# Altium PCB BLDC_DRIVER_auto_router.PcbDoc (part 1 of 3) (continued)
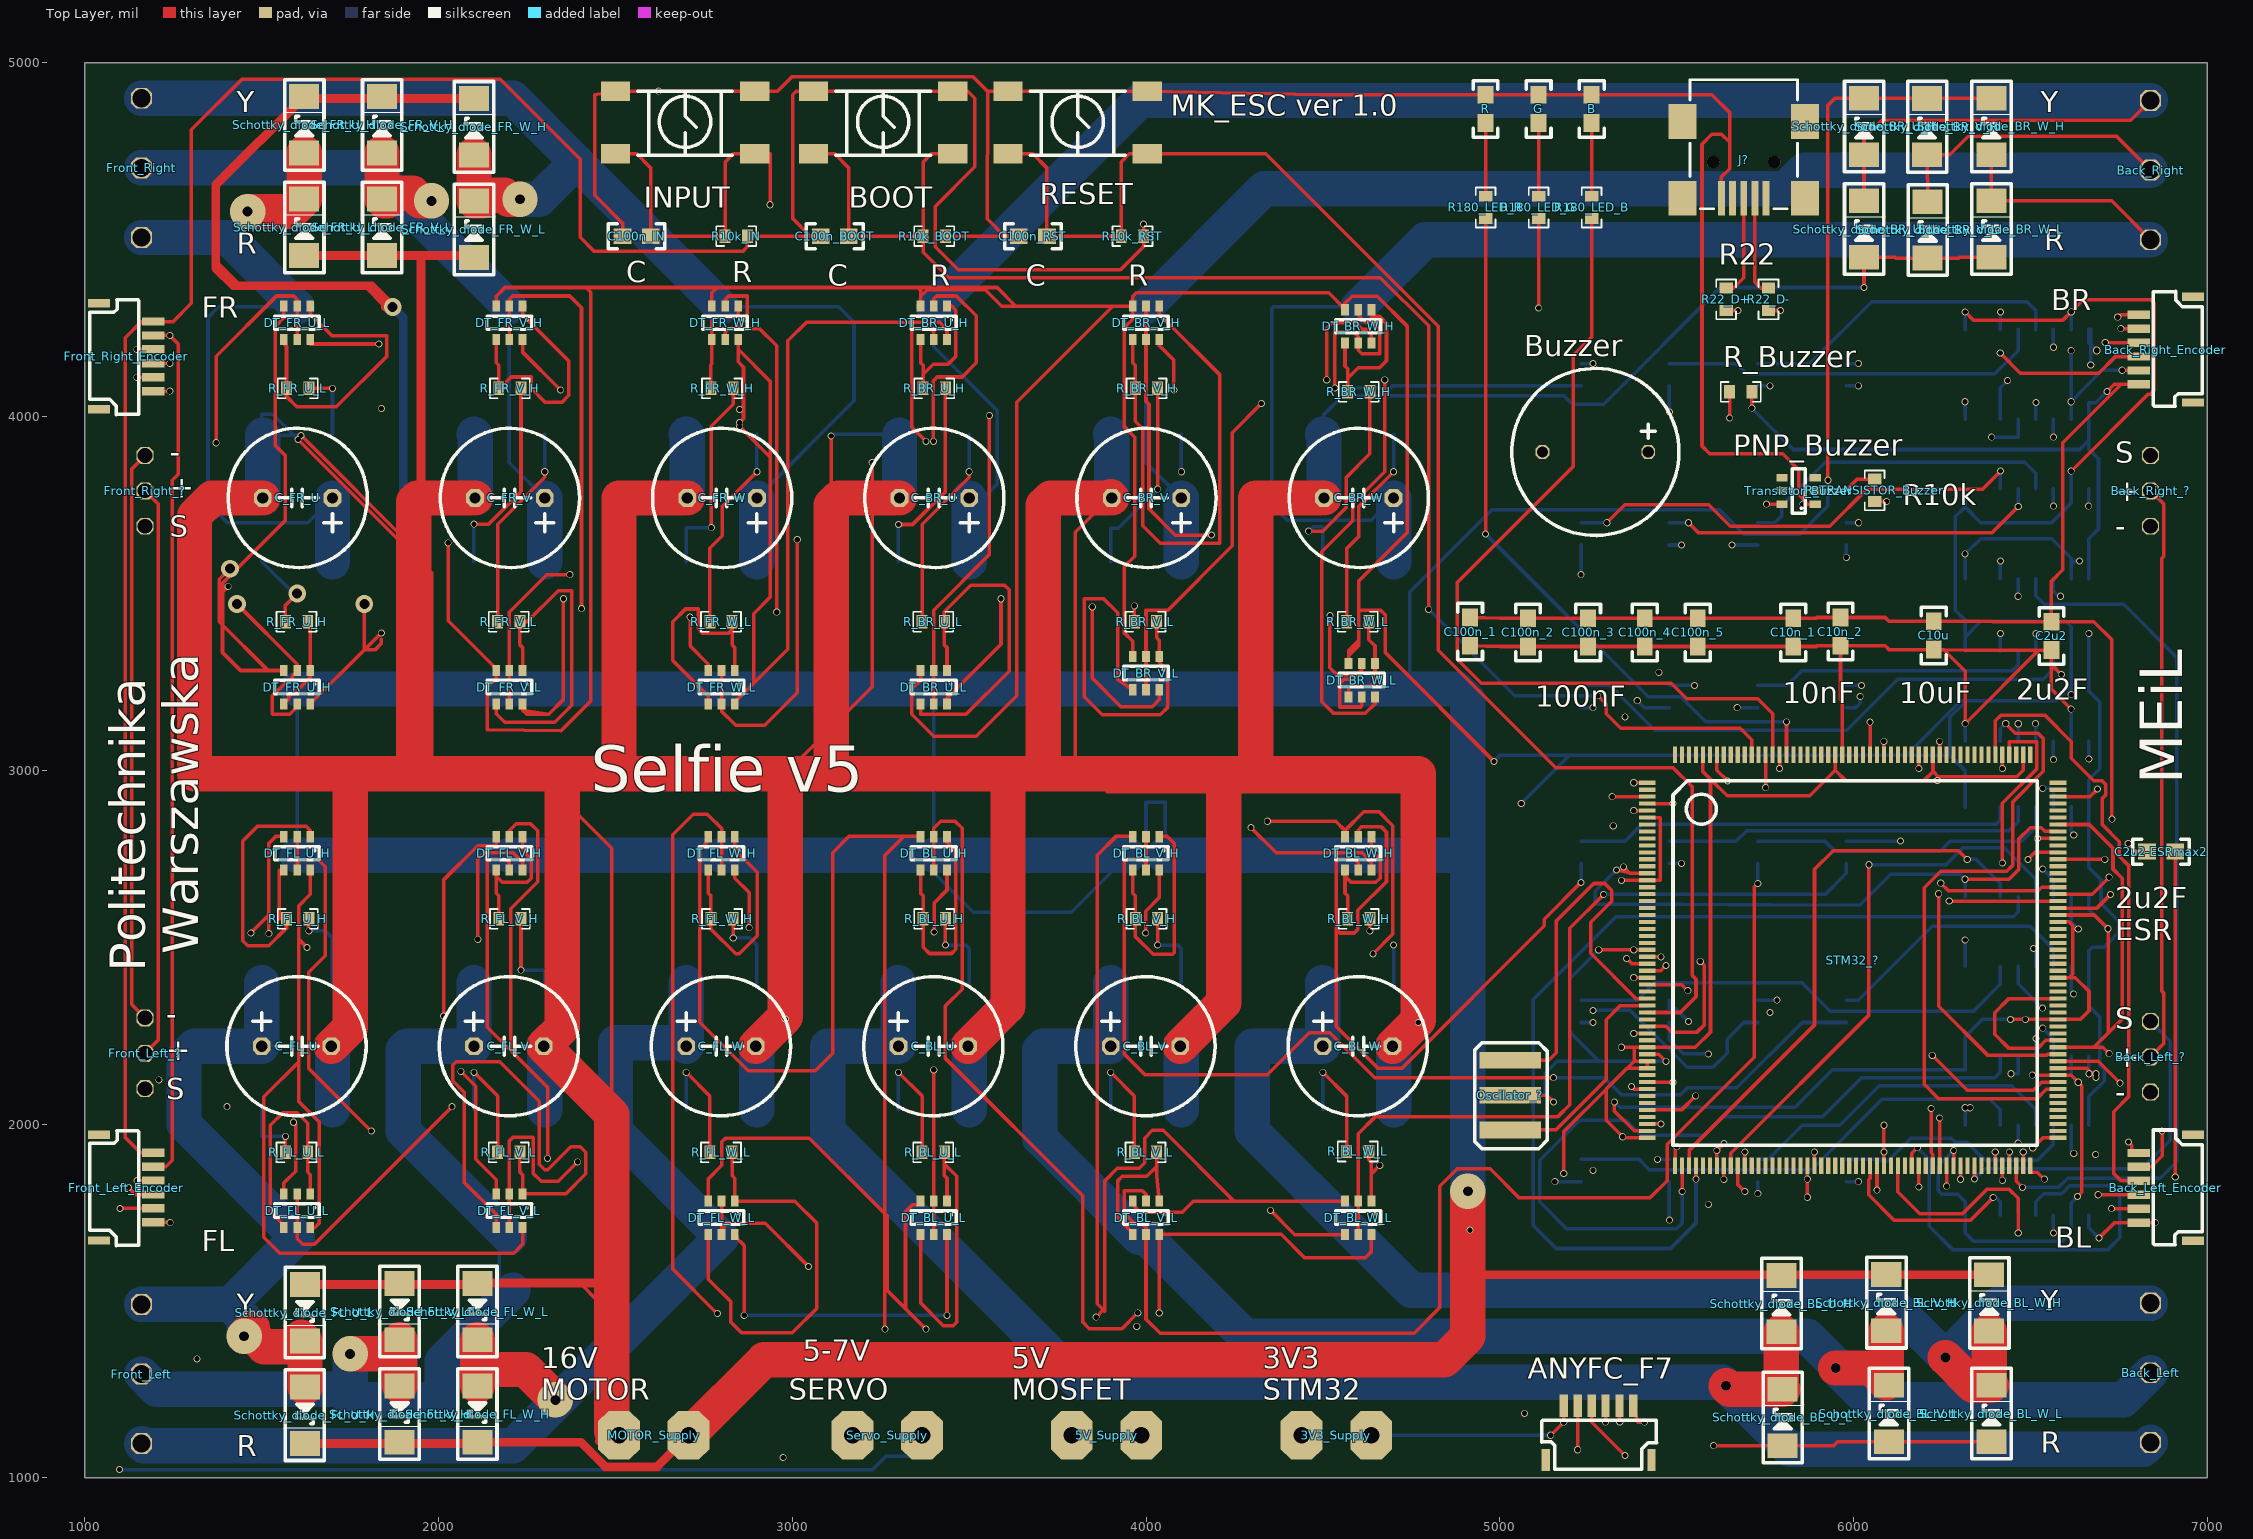
[diagram p0: Top Layer view]
## Components (designator, comment, footprint, x,y, rotation, side; value= is the part's Value field where it differs from the comment) (continued)
DT_FR_W_L "Dual_transistors" SOT457 2800,3170 r180 top
Front_Left "3_phase_engine_con" DG300-5.0-03P-12-00A 1160,1490 r270 top
Front_Left_? "Servo_con" Raster_2.54_corner_3pin 1170,2300 r270 top
Front_Left_Encoder "SPI" "JST SR SH 1.0" 1040,1970 r270 top
Front_Right "3_phase_engine_con" DG300-5.0-03P-12-00A 1160,4900 r270 top
Front_Right_? "Servo_con" Raster_2.54_corner_3pin 1170,3890 r270 top
Front_Right_Encoder "SPI" "JST SR SH 1.0" 1040,4320 r270 top
G "LED" 0603 5110,4830 r90 top
INPUT "Tact_Switch" "LSH Gullwing" 2500,4920 r180 top
J? "65100516121" 65100516121 5690,4770 r180 top
MOSFET_BL_U_H "IFR1018EPbF" TO-263 3300,2400 r180 bottom
MOSFET_BL_U_L "IFR1018EPbF" TO-263 3500,2040 r0 bottom
MOSFET_BL_V_H "IFR1018EPbF" TO-263 3900,2400 r180 bottom
MOSFET_BL_V_L "IFR1018EPbF" TO-263 4100,2040 r0 bottom
MOSFET_BL_W_H "IFR1018EPbF" TO-263 4500,2400 r180 bottom
MOSFET_BL_W_L "IFR1018EPbF" TO-263 4700,2040 r0 bottom
MOSFET_BR_U_H "IFR1018EPbF" TO-263 3500,3590 r0 bottom
MOSFET_BR_U_L "IFR1018EPbF" TO-263 3300,3950 r180 bottom
MOSFET_BR_V_H "IFR1018EPbF" TO-263 4100,3590 r0 bottom
MOSFET_BR_V_L "IFR1018EPbF" TO-263 3900,3950 r180 bottom
MOSFET_BR_W_H "IFR1018EPbF" TO-263 4700,3590 r0 bottom
MOSFET_BR_W_L "IFR1018EPbF" TO-263 4500,3950 r180 bottom
MOSFET_FL_U_H "IFR1018EPbF" TO-263 1500,2400 r180 bottom
MOSFET_FL_U_L "IFR1018EPbF" TO-263 1700,2040 r0 bottom
MOSFET_FL_V_H "IFR1018EPbF" TO-263 2100,2400 r180 bottom
MOSFET_FL_V_L "IFR1018EPbF" TO-263 2300,2040 r0 bottom
MOSFET_FL_W_H "IFR1018EPbF" TO-263 2700,2400 r180 bottom
MOSFET_FL_W_L "IFR1018EPbF" TO-263 2900,2040 r0 bottom
MOSFET_FR_U_H "IFR1018EPbF" TO-263 1700,3590 r0 bottom
MOSFET_FR_U_L "IFR1018EPbF" TO-263 1500,3950 r180 bottom
MOSFET_FR_V_H "IFR1018EPbF" TO-263 2300,3590 r0 bottom
MOSFET_FR_V_L "IFR1018EPbF" TO-263 2100,3950 r180 bottom
MOSFET_FR_W_H "IFR1018EPbF" TO-263 2900,3590 r0 bottom
MOSFET_FR_W_L "IFR1018EPbF" TO-263 2700,3950 r180 bottom
MOTOR_Supply "2-pin" 2-pin-zielony-kat 2510,1120 r0 top
Oscilator_? "CSTCC8M00G53-R0" CSTCC8M00G53-R0 5030,2180 r270 top
R "LED" 0603 4960,4830 r90 top
R10k_BOOT "Res" R0603 3370,4510 r0 top
R10k_IN "Res" R0603 2810,4510 r0 top
R10k_RST "Res" R0603 3930,4510 r0 top
R22_D+ "Res" R0603 5640,4300 r90 top
R22_D- "Res" R0603 5760,4300 r90 top
R180_LED_B "Res" R0603 5260,4560 r90 top
R180_LED_G "Res" R0603 5110,4560 r90 top
R180_LED_R "Res" R0603 4960,4560 r90 top
R_BL_U_H "Res" R0603 3370,2580 r0 top
R_BL_U_L "Res" R0603 3430,1920 r180 top
R_BL_V_H "Res" R0603 3970,2580 r0 top
R_BL_V_L "Res" R0603 4030,1920 r180 top
R_BL_W_H "Res" R0603 4570,2580 r0 top
R_BL_W_L "Res" R0603 4630,1922.28 r180 top
R_BR_U_H "Res" R0603 3370,4080 r0 top
R_BR_U_L "Res" R0603 3430,3420 r180 top
R_BR_V_H "Res" R0603 3970,4080 r0 top
R_BR_V_L "Res" R0603 4030,3420 r180 top
R_BR_W_H "Res" R0603 4570,4070 r0 top
R_BR_W_L "Res" R0603 4630,3420 r180 top
R_Buzzer "Res" R0603 5650,4070 r0 top
R_DT_BL_U_H "Res" R0603 5730,2350 r270 bottom
R_DT_BL_U_L "Res" R0603 5480,2800 r270 bottom
R_DT_BL_V_H "Res" R0603 5980,2350 r270 bottom
R_DT_BL_V_L "Res" R0603 5730,2800 r270 bottom
R_DT_BL_W_H "Res" R0603 5230,2800 r270 bottom
R_DT_BL_W_L "Res" R0603 5980,2800 r270 bottom
R_DT_BR_U_H "Res" R0603 5730,3700 r270 bottom
R_DT_BR_U_L "Res" R0603 5480,4150 r270 bottom
R_DT_BR_V_H "Res" R0603 5980,3700 r270 bottom
R_DT_BR_V_L "Res" R0603 5730,4150 r270 bottom
R_DT_BR_W_H "Res" R0603 5230,4150 r270 bottom
R_DT_BR_W_L "Res" R0603 5980,4150 r270 bottom
R_DT_FL_U_H "Res" R0603 5230,1900 r270 bottom
R_DT_FL_U_L "Res" R0603 5980,1900 r270 bottom
R_DT_FL_V_H "Res" R0603 5480,1900 r270 bottom
R_DT_FL_V_L "Res" R0603 5230,2350 r270 bottom
R_DT_FL_W_H "Res" R0603 5730,1900 r270 bottom
R_DT_FL_W_L "Res" R0603 5480,2350 r270 bottom
R_DT_FR_U_H "Res" R0603 5480,3240 r270 bottom
R_DT_FR_U_L "Res" R0603 5230,3240 r270 bottom
R_DT_FR_V_H "Res" R0603 5730,3240 r270 bottom
R_DT_FR_V_L "Res" R0603 5230,3700 r270 bottom
R_DT_FR_W_H "Res" R0603 5980,3240 r270 bottom
R_DT_FR_W_L "Res" R0603 5480,3700 r270 bottom
R_FL_U_H "Res" R0603 1570,2580 r0 top
R_FL_U_L "Res" R0603 1630,1920 r180 top
R_FL_V_H "Res" R0603 2170,2580 r0 top
R_FL_V_L "Res" R0603 2230,1920 r180 top
R_FL_W_H "Res" R0603 2770,2580 r0 top
R_FL_W_L "Res" R0603 2830,1920 r180 top
R_FR_U_H "Res" R0603 1630,3420 r180 top
R_FR_U_L "Res" R0603 1570,4080 r0 top
R_FR_V_H "Res" R0603 2170,4080 r0 top
R_FR_V_L "Res" R0603 2230,3420 r180 top
R_FR_W_H "Res" R0603 2770,4080 r0 top
R_FR_W_L "Res" R0603 2830,3420 r180 top
R_TRANSISTOR_Buzzer "Res" R0603 6060,3760 r90 top
RESET "Tact_Switch" "LSH Gullwing" 3610,4920 r180 top
Schottky_diode_BL_U_H "Schottky_diode" DO-214AC 5796.38,1571.93 r90 top
Schottky_diode_BL_U_L "Schottky_diode" DO-214AC 5800,1250 r90 top
Schottky_diode_BL_V_H "Schottky_diode" DO-214AC 6092.91,1574.64 r90 top
Schottky_diode_BL_V_L "Schottky_diode" DO-214AC 6100.19,1261.14 r90 top
Schottky_diode_BL_W_H "Schottky_diode" DO-214AC 6383.89,1573.85 r90 top
Schottky_diode_BL_W_L "Schottky_diode" DO-214AC 6390.19,1261.14 r90 top
Schottky_diode_BR_U_H "Schottky_diode" DO-214AC 6030,4900 r90 top
Schottky_diode_BR_U_L "Schottky_diode" DO-214AC 6030,4610 r90 top
Schottky_diode_BR_V_H "Schottky_diode" DO-214AC 6208.19,4899.49 r90 top
Schottky_diode_BR_V_L "Schottky_diode" DO-214AC 6210,4607.68 r90 top
Schottky_diode_BR_W_H "Schottky_diode" DO-214AC 6390,4900 r90 top
Schottky_diode_BR_W_L "Schottky_diode" DO-214AC 6390,4610 r90 top
Schottky_diode_FL_U_H "Schottky_diode" DO-214AC 1622.13,1096.57 r270 top
Schottky_diode_FL_U_L "Schottky_diode" DO-214AC 1622.13,1386.57 r270 top
Schottky_diode_FL_V_H "Schottky_diode" DO-214AC 1890,1100 r270 top
Schottky_diode_FL_V_L "Schottky_diode" DO-214AC 1890,1390 r270 top
Schottky_diode_FL_W_H "Schottky_diode" DO-214AC 2110,1100 r270 top
Schottky_diode_FL_W_L "Schottky_diode" DO-214AC 2110,1390 r270 top
Schottky_diode_FR_U_H "Schottky_diode" DO-214AC 1620,4905 r90 top
Schottky_diode_FR_U_L "Schottky_diode" DO-214AC 1620,4615 r90 top
Schottky_diode_FR_V_H "Schottky_diode" DO-214AC 1840,4905 r90 top
Schottky_diode_FR_V_L "Schottky_diode" DO-214AC 1840,4615 r90 top
Schottky_diode_FR_W_H "Schottky_diode" DO-214AC 2100,4899.45 r90 top
Schottky_diode_FR_W_L "Schottky_diode" DO-214AC 2100,4609.45 r90 top
Servo_Supply "2-pin" 2-pin-zielony-kat 3170,1120 r0 top
STM32_? "STM32F769BGT6-SELFIE" LQFP208 5490,3020 r0 top
TO1 "HCPL-090J" SOIC-16 6670,1760 r180 bottom
TO2 "HCPL-090J" SOIC-16 6670,2210 r180 bottom
TO3 "HCPL-090J" SOIC-16 6670,2660 r180 bottom
TO4 "HCPL-090J" SOIC-16 6670,3100 r180 bottom
TO5 "HCPL-090J" SOIC-16 6670,3560 r180 bottom
TO6 "HCPL-090J" SOIC-16 6670,4010 r180 bottom
Transistor_Buzzer "PBSS4160DPN.115" SOT457 5780,3790 r90 top

## Footprints (in the part's own frame and the unit in brackets; to place one, negate y for a bottom-side part, rotate by r counter-clockwise, add the part's x,y. Pads: shape width x height; smd on the part's side, far side on the other; paste and mask are expansions set on the pad)
2-pin-zielony-kat [mm]
  oct 3x3.5 hole 1.2: 1(0,0) 2(5,0)
  body extent -3.5,-10.1 8.5,1.9, height 8.75
5mm [mil]
  oct 50x50 hole 32: 1(0,0) 2(196.85,0)
  silkscreen extent -98,-197 295,197, body extent -98,-197 295,197, height 787
0603 [mil]
  rect 50x45 smd: 1(0,0) 2(80,0)
  silkscreen extent -40,-35 120,35, body extent 9,-17 72,17, height 33
65100516121 [mm] "Mini USB 2.0 Type B SMT Horizontal 5 Contacts"
  rect 0.5x2.5 smd: 1(-1.6,3.875) 2(-0.8,3.875) 3(0,3.875) 4(0.8,3.875) 5(1.6,3.875)
  round 0.9 hole 0.9 unplated: MH1(-2.2,1.275) MH2(2.2,1.275)
  rect 2x2.5 smd: Shell(-4.4,3.875) Shell(-4.4,-1.625) Shell(4.4,3.875) Shell(4.4,-1.625)
  silkscreen extent -3.85,-4.62 3.85,4.62, body extent -4.8,-4.62 4.8,4.63, height 3.92
Buzzer_LOUDITY [mm]
  oct 1x1 hole 0.8: 1(-7.6,0) 2(0,0)
  silkscreen extent -9.8,-6 2.2,6, body extent -9.8,-6 5.65,6, height 9.65
CSTCC8M00G53-R0 [mm]
  rect 1.2x4.4 smd: 1(0,0) 2(2.5,0) 3(5,0)
  silkscreen extent -1.27,-2.54 6.35,2.67, body extent -1.06,-1.52 6.14,1.48, height 1.25
DG300-5.0-03P-12-00A [mm]
  oct 1.5x1.5 hole 1.3: 1(0,0) 2(5,0) 3(10,0)
  body extent -2.5,-4 12.5,5, height 12.6
DO-214AC [mm]
  rect 1.78x2.16 smd: 1(-4.05,0) 2(0,0)
  Top Layer lines w0.051: -1.143,-1.524 -1.092,-1.575
  silkscreen extent -5.28,-1.52 1.22,1.4, body extent -4.55,-1.43 0.45,1.27, height 2.33
"JST SR SH 1.0" [mm]
  rect 0.6x1.6 smd: 1(1.3,3.9) 2(2.3,3.9) 3(3.3,3.9) 4(4.3,3.9) 5(5.3,3.9) 6(6.3,3.9) 7(7.6,0) 8(0,0)
  silkscreen extent -0.28,-0.66 7.98,2.84, body extent -0.16,-0.66 7.84,4.29, height 2.9
LQFP208 [mm]
  rect 1.2x0.3 smd: 1(-1.85,-1.4) 2(-1.85,-1.9) 3(-1.85,-2.4) 4(-1.85,-2.9) 5(-1.85,-3.4) 6(-1.85,-3.9) 7(-1.85,-4.4) 8(-1.85,-4.9) 9(-1.85,-5.4) 10(-1.85,-5.9) 11(-1.85,-6.4) 12(-1.85,-6.9) 13(-1.85,-7.4) 14(-1.85,-7.9) 15(-1.85,-8.4) 16(-1.85,-8.9) 17(-1.85,-9.4) 18(-1.85,-9.9) 19(-1.85,-10.4) 20(-1.85,-10.9) 21(-1.85,-11.4) 22(-1.85,-11.9) 23(-1.85,-12.4) 24(-1.85,-12.9) 25(-1.85,-13.4) 26(-1.85,-13.9) 27(-1.85,-14.4) 28(-1.85,-14.9) 29(-1.85,-15.4) 30(-1.85,-15.9) 31(-1.85,-16.4) 32(-1.85,-16.9) 33(-1.85,-17.4) 34(-1.85,-17.9) 35(-1.85,-18.4) 36(-1.85,-18.9) 37(-1.85,-19.4) 38(-1.85,-19.9) 39(-1.85,-20.4) 40(-1.85,-20.9) 41(-1.85,-21.4) 42(-1.85,-21.9) 43(-1.85,-22.4) 44(-1.85,-22.9) 45(-1.85,-23.4) 46(-1.85,-23.9) 47(-1.85,-24.4) 48(-1.85,-24.9) 49(-1.85,-25.4) 50(-1.85,-25.9) 51(-1.85,-26.4) 52(-1.85,-26.9) 105(27.65,-26.9) 106(27.65,-26.4) 107(27.65,-25.9) 108(27.65,-25.4) 109(27.65,-24.9) 110(27.65,-24.4) 111(27.65,-23.9) 112(27.65,-23.4) 113(27.65,-22.9) 114(27.65,-22.4) 115(27.65,-21.9) 116(27.65,-21.4) 117(27.65,-20.9) 118(27.65,-20.4) 119(27.65,-19.9) 120(27.65,-19.4) 121(27.65,-18.9) 122(27.65,-18.4) 123(27.65,-17.9) 124(27.65,-17.4) 125(27.65,-16.9) 126(27.65,-16.4) 127(27.65,-15.9) 128(27.65,-15.4) 129(27.65,-14.9) 130(27.65,-14.4) 131(27.65,-13.9) 132(27.65,-13.4) 133(27.65,-12.9) 134(27.65,-12.4) 135(27.65,-11.9) 136(27.65,-11.4) 137(27.65,-10.9) 138(27.65,-10.4) 139(27.65,-9.9) 140(27.65,-9.4) 141(27.65,-8.9) 142(27.65,-8.4) 143(27.65,-7.9) 144(27.65,-7.4) 145(27.65,-6.9) 146(27.65,-6.4) 147(27.65,-5.9) 148(27.65,-5.4) 149(27.65,-4.9) 150(27.65,-4.4) 151(27.65,-3.9) 152(27.65,-3.4) 153(27.65,-2.9) 154(27.65,-2.4) 155(27.65,-1.9) 156(27.65,-1.4)
  rect 0.3x1.2 smd: 53(0.15,-28.9) 54(0.65,-28.9) 55(1.15,-28.9) 56(1.65,-28.9) 57(2.15,-28.9) 58(2.65,-28.9) 59(3.15,-28.9) 60(3.65,-28.9) 61(4.15,-28.9) 62(4.65,-28.9) 63(5.15,-28.9) 64(5.65,-28.9) 65(6.15,-28.9) 66(6.65,-28.9) 67(7.15,-28.9) 68(7.65,-28.9) 69(8.15,-28.9) 70(8.65,-28.9) 71(9.15,-28.9) 72(9.65,-28.9) 73(10.15,-28.9) 74(10.65,-28.9) 75(11.15,-28.9) 76(11.65,-28.9) 77(12.15,-28.9) 78(12.65,-28.9) 79(13.15,-28.9) 80(13.65,-28.9) 81(14.15,-28.9) 82(14.65,-28.9) 83(15.15,-28.9) 84(15.65,-28.9) 85(16.15,-28.9) 86(16.65,-28.9) 87(17.15,-28.9) 88(17.65,-28.9) 89(18.15,-28.9) 90(18.65,-28.9) 91(19.15,-28.9) 92(19.65,-28.9) 93(20.15,-28.9) 94(20.65,-28.9) 95(21.15,-28.9) 96(21.65,-28.9) 97(22.15,-28.9) 98(22.65,-28.9) 99(23.15,-28.9) 100(23.65,-28.9) 101(24.15,-28.9) 102(24.65,-28.9) 103(25.15,-28.9) 104(25.65,-28.9) 157(25.65,0.6) 158(25.15,0.6) 159(24.65,0.6) 160(24.15,0.6) 161(23.65,0.6) 162(23.15,0.6) 163(22.65,0.6) 164(22.15,0.6) 165(21.65,0.6) 166(21.15,0.6) 167(20.65,0.6) 168(20.15,0.6) 169(19.65,0.6) 170(19.15,0.6) 171(18.65,0.6) 172(18.15,0.6) 173(17.65,0.6) 174(17.15,0.6) 175(16.65,0.6) 176(16.15,0.6) 177(15.65,0.6) 178(15.15,0.6) 179(14.65,0.6) 180(14.15,0.6) 181(13.65,0.6) 182(13.15,0.6) 183(12.65,0.6) 184(12.15,0.6) 185(11.65,0.6) 186(11.15,0.6) 187(10.65,0.6) 188(10.15,0.6) 189(9.65,0.6) 190(9.15,0.6) 191(8.65,0.6) 192(8.15,0.6) 193(7.65,0.6) 194(7.15,0.6) 195(6.65,0.6) 196(6.15,0.6) 197(5.65,0.6) 198(5.15,0.6) 199(4.65,0.6) 200(4.15,0.6) 201(3.65,0.6) 202(3.15,0.6) 203(2.65,0.6) 204(2.15,0.6) 205(1.65,0.6) 206(1.15,0.6) 207(0.65,0.6) 208(0.15,0.6)
  silkscreen extent 0,-27.43 26.16,-1.27, body extent -1.84,-28.92 27.66,0.58, height 1.39
"LSH Gullwing" [mm]
  rect 2.1x1.4 smd: 1(-10,4.5) 2(0,4.5) 3(-10,0) 4(0,0)
  silkscreen extent -8.4,0 -1.6,4.6, body extent -10,-0.75 0,5.25, height 4.97
R0603 [mil]
  rect 31x38 smd: 1(0,0) 2(63,0)
  silkscreen extent -25,-28 88,28, body extent -1,-17 62,17, height 19
Raster_2.54_corner_3pin [mm]
  oct 1.22x1.22 hole 1.05: 1(0,0) 2(2.54,0) 3(5.08,0)
  body extent -1.27,-10.84 6.35,0.27, height 3.79
SOIC-16 [mm]
  rect 0.72x1.78 smd: 1(0.11,-0.46) 2(1.38,-0.46) 3(2.65,-0.46) 4(3.92,-0.46) 5(5.19,-0.46) 6(6.46,-0.46) 7(7.73,-0.46) 8(9,-0.46) 9(9,6) 10(7.73,6) 11(6.46,6) 12(5.19,6) 13(3.92,6) 14(2.65,6) 15(1.38,6) 16(0.11,6)
  silkscreen extent -0.53,0.79 9.63,4.73, body extent -0.5,-0.3 9.7,5.7, height 1.7
SOT457 [mm]
  rect 0.55x0.8 smd: 1(-0.95,-2.85) 2(0,-2.85) 3(0.95,-2.85) 4(0.95,-0.45) 5(0,-0.45) 6(-0.95,-0.45)
  silkscreen extent -1.6,-2.13 1.6,-1.18, body extent -1.45,-3.05 1.45,-0.25, height 1.23
TO-263 [mm]
  rect 10.8x9.4 smd: D(-2.54,9.15)
  rect 1.35x4.6 smd: G(-5.08,0) S(0,0)
  silkscreen extent -8.89,-3.05 3.81,14.48, body extent -7.54,-1.94 2.46,13.73, height 4.83

## Part data
J?: "Mini USB 2.0 Type B Receptacle WR-COM, Horizontal, SMT, with Pads and Pegs"

## Via types
v1: diameter 20, hole 15, Top Layer to Bottom Layer, 335 vias
v2: diameter 100, hole 28, Top Layer to Bottom Layer, 7 vias
v3: diameter 50, hole 28, Top Layer to Bottom Layer, 5 vias
v4: diameter 28, hole 28, Top Layer to Bottom Layer, 3 vias

## Nets (pads, with @x,y where several pads share a name; then routed paths per layer and width w, separated by ;. In a path a pad name is that pad's centre, name@x,y a point inside that pad or via, vN(x,y) a via of type N, cw(c..) or ccw(c..) an arc to the next point about the centre after c; other vN are vias at no path point)
3V3: 3V3_Supply.2 ANYFC_F7.1 Back_Left_Encoder.1 Back_Right_Encoder.1 BOOT.3 BOOT.4 C2u2.2 C10n_1.2 C10n_2.2 C10u.2 C100n_1.2 C100n_2.2 C100n_3.2 C100n_4.2 C100n_5.2 C100n_BOOT.2 Front_Left_Encoder.1 Front_Right_Encoder.1 R10k_IN.2 R10k_RST.2 R_Buzzer.2 STM32_?.6 STM32_?.15 STM32_?.26 STM32_?.39 STM32_?.41 STM32_?.42 STM32_?.52 STM32_?.59 STM32_?.73 STM32_?.83 STM32_?.94 STM32_?.103 STM32_?.115 STM32_?.118 STM32_?.137 STM32_?.150 STM32_?.158 STM32_?.171 STM32_?.185 STM32_?.204 TO1.1 TO2.1 TO3.1 TO4.1 TO5.1 TO6.1 | length 25591.1
  Top Layer w10: Front_Left_Encoder.1@1193.54,1918.82 1157,1918.82 1114,1961.82 1114,4222.82 1160,4268.82 Front_Right_Encoder.1@1193.54,4268.82 1249.82,4268.82 1301,4320 1301,4811 1444,4954 2174,4954 2400,4728 2400,4507 2440,4467 2860,4467 2873,4480 R10k_IN.2@2873,4510 3051,4510 ; C100n_BOOT.2@3080,4510 3051,4510 ; v1(3993,4544) R10k_RST.2@3993,4510 3993,4480 3928,4415 3469,4415 3404,4480 3404,4594 3516,4706 3516,4900 3496,4920 BOOT.3@3453.7,4920 BOOT.4@3060,4920 3011,4920 3001,4910 3001,4560 3051,4510 ; C100n_1.2@4916.35,3432.05 5001.05,3430 C100n_2.2@5080,3430 C100n_3.2@5250,3430 C100n_4.2@5410,3430 C100n_5.2@5560,3430 C10n_1.2@5830,3430 5895,3430 5897.05,3432.05 C10n_2.2@5963.51,3432.05 6090,3432.05 6100.63,3421.42 C10u.2@6227.22,3421.42 6392,3421.42 6393.42,3420 C2u2.2@6560,3420 ; v1(5144,1120) v1(5181,1157) 5181.18,1157.18 ANYFC_F7.1@5181.18,1203.54 ; v1(5181,1860) 5181,1978.8 5301,2098.61 ; v1(5344,2217) 5344.15,2216.85 5380,2216.85 ; v1(5344.29,2689) 5344.58,2689.29 STM32_?.15@5417.17,2689.29 5454,2689.29 5454,2866.46 STM32_?.6@5417.17,2866.46 ; STM32_?.52@5417.17,1960.94 5350.82,1960.94 v1(5347.76,1964) 5301,2010.76 5301,2098.61 ; STM32_?.26@5417.17,2472.76 v1(5455.79,2472.76) ; STM32_?.204@5574.65,3043.62 5574.65,2996.35 5596,2975 ; STM32_?.59@5614.02,1882.2 v1(5614.02,1925) v1(5634.02,1945) ; v1(5713,4024) R_Buzzer.2@5713,4070 ; STM32_?.73@5889.61,1882.2 v1(5889.61,1920.83) ; STM32_?.185@5948.66,3043.62 5948.66,3000 ; STM32_?.83@6086.46,1882.2 v1(6086.46,1920.83) v1(6086.46,1996.4) ; v1(6237,2971) 6199.75,2971 ; v1(6302.99,1843.58) v1(6302.99,1843.58) v1(6303,1844) STM32_?.94@6302.99,1882.2 ; STM32_?.103@6480.16,1882.2 v1(6480.16,1920.83) ; STM32_?.158@6480.16,3043.62 6480.16,3000 6462.16,2982 6240,2982 6225.37,2996.63 ; STM32_?.115@6578.58,2157.8 6660.2,2157.8 6681,2137 v1(6686,2132) ; STM32_?.118@6578.58,2216.85 6680,2216.85 ; STM32_?.137@6578.58,2590.87 6681.13,2590.87 v1(6720,2552) 6720,2256.85 ; STM32_?.150@6578.58,2846.77 6667.23,2846.77 6734,2780 6734,2720.92 6760,2694.92 6760,2296.85 6720,2256.85 ; v1(6694.45,1677.55) 6738.08,1721.18 Back_Left_Encoder.1@6806.46,1721.18 v1(6853,1721.18) ; v1(6717.2,4071.18) 6737.2,4091.18 6757.18,4091.18 ; v1(6723,2199) 6705.15,2216.85 6680,2216.85 ; v1(6731.05,2861.95) 6731.05,3368.95 6680,3420 C2u2.2@6560,3420 ; Back_Right_Encoder.1@6806.46,4091.18 6757.18,4091.18 ; 5301,2098.61 5360.28,2157.8 ; 5301,2098.61 5301,2098.8 5360,2157.8 5360.28,2157.8 ; 5360.28,2157.8 STM32_?.42@5417.17,2157.8 STM32_?.41@5417.17,2177.48 5380,2177.48 ; 5360.28,2157.8 5380,2177.48 ; 5380,2177.48 5380,2216.85 ; 5380,2216.85 STM32_?.39@5417.17,2216.85 5553,2216.85 5596,2259.85 5596,2975 ; 5596,2975 5643.15,2927.85 5876.51,2927.85 5948.66,3000 ; 5948.66,3000 5977.66,2971 6199.75,2971 ; 6199.75,2971 6225.37,2996.63 ; 6225.37,2996.63 6224.25,2997.75 STM32_?.171@6224.25,3043.62 6225.37,2996.63 ; C2u2.2@6560,3420 6560,3535 6592,3567 6592,3926 6757.18,4091.18 ; 6680,2216.85 6720,2256.85
  Signal Layer 1 w12: v1(3993,4544) 4480,4057 5680,4057 v1(5713,4024) ; v1(5344.29,2689) 5398,2689 5510.97,2786 5600,2696.97 5600,2616.97 v1(5455.79,2472.76) ; v1(5347.76,1964) 5575.02,1964 v1(5614.02,1925) ; v1(5634.02,1945) 5865.43,1945 v1(5889.61,1920.83) v1(6086.46,1920.83) ; v1(6086.46,1996.4) 6099.86,1983 6308,1979 6308,1905.47 ; v1(6237,2971) 6323,3057 6640.67,3057 v1(6665.67,3032) ; v1(6302.99,1843.58) 6341.41,1882 6441.33,1882 v1(6480.16,1920.83) ; v1(6302.99,1843.58) 6308,1848.65 6308,1905.47 ; v1(6303,1844) 6303,1900.47 6308,1905.47 ; v1(6666,2142) v1(6723,2199) ; v1(6720,2552) 6802,2634 6802,2840 6780.05,2861.95 v1(6731.05,2861.95) ; v1(6853,1721.18) 6852.95,1772.08 ; v1(6853,1721.18) 6853,1772.03 6852.95,1772.08 ; 6308,1905.47 6404.53,2002 6587.56,2002 6686,2100.44 v1(6686,2132) ; v1(6686,2132) v1(6686,2142) 6709,2119 6709,2109 ; v1(6686,2132) 6709,2109 ; 6709,2109 6709,1916.03 6852.95,1772.08
  Signal Layer 2 w12: v1(5181,1157) v1(5181,1860) ; v1(5344,2217) 5344,2308 5403,2367 5403,2419.97 v1(5455.79,2472.76)
  Bottom Layer w10: 3V3_Supply.2@4636.85,1120 v1(5144,1120) ; v1(5713,4024) 5830,3907 6640,3907 6665.67,3932.67 ; TO1.1@6665.67,1741.89 6665.67,1706.33 v1(6694.45,1677.55) ; TO2.1@6665.67,2191.89 6665.67,2142.33 v1(6666,2142) v1(6686,2142) ; TO3.1@6665.67,2641.89 6665.67,2606.33 v1(6720,2552) ; v1(6665.67,3032) TO4.1@6665.67,3081.89 ; TO5.1@6665.67,3541.89 6665.67,3655 6693,3682.33 6693,3881 6665.67,3908.33 6665.67,3932.67 ; v1(6717.2,4071.18) 6685.67,4039.65 6665.67,4039.65 TO6.1@6665.67,3991.89 6665.67,3932.67
  other v1: 6852.95,1721.18 6302.99,1843.65
GND_3V3: 3V3_Supply.1 ANYFC_F7.2 B.2 Back_Left_Encoder.2 Back_Right_Encoder.2 C2u2.1 C10n_1.1 C10n_2.1 C10u.1 C100n_1.1 C100n_2.1 C100n_3.1 C100n_4.1 C100n_5.1 C100n_IN.2 C100n_RST.2 Front_Left_Encoder.2 Front_Right_Encoder.2 G.2 INPUT.3 INPUT.4 J?.5 Oscilator_?.2 R10k_BOOT.2 R.2 RESET.3 RESET.4 STM32_?.14 STM32_?.25 STM32_?.40 STM32_?.51 STM32_?.60 STM32_?.72 STM32_?.82 STM32_?.93 STM32_?.114 STM32_?.122 STM32_?.128 STM32_?.136 STM32_?.149 STM32_?.170 STM32_?.184 STM32_?.202 TO1.2 TO1.8 TO2.2 TO2.8 TO3.2 TO3.8 TO4.2 TO4.8 TO5.2 TO5.8 TO6.2 TO6.8 Transistor_Buzzer.1 | length 28992.3
  Top Layer w10: Front_Left_Encoder.2@1193.54,1879.45 1228.45,1879.45 1247,1898 1247,3820 1264,3837 1264,4205.45 v1(1240,4229.45) Front_Right_Encoder.2@1193.54,4229.45 ; C100n_IN.2@2520,4510 2520,4547 2441,4626 2441,4910 INPUT.4@2500,4920 v1(2622,4920) INPUT.3@2893.7,4920 2958,4920 2999,4961 3511,4961 3552,4920 ; R10k_BOOT.2@3433,4510 3600,4510 ; C100n_RST.2@3640,4510 3600,4510 ; C100n_1.1@4916.35,3352.05 5001.05,3350 C100n_2.1@5080,3350 C100n_3.1@5250,3350 C100n_4.1@5410,3350 C100n_5.1@5560,3350 C10n_1.1@5830,3350 5895,3350 5897.05,3352.05 C10n_2.1@5963.51,3352.05 ; Oscilator_?.2@5030,2081.57 5132.43,2081.57 v1(5152,2062) ; v1(5220.55,1079) ANYFC_F7.2@5220.55,1203.54 ; v1(5280,2492.44) v1(5379,2492.44) STM32_?.25@5417.17,2492.44 ; v1(5324,2062) 5324,2036.63 5380,1980.63 STM32_?.51@5417.17,1980.63 ; v1(5330,2718) 5346.91,2713.99 5368.02,2708.98 ; v1(5350,2727) 5368.02,2708.98 ; STM32_?.40@5417.17,2197.17 5449.94,2197.17 v1(5469.94,2177.17) ; STM32_?.14@5417.17,2708.98 5368.02,2708.98 ; STM32_?.202@5614.02,3043.62 5614.02,3000 v1(5644,2970.02) ; J?.5@5627.01,4617.44 5627.01,4677.97 5650.01,4700.97 5650.01,4775.5 ; v1(5633.7,1843.58) STM32_?.60@5633.7,1882.2 ; v1(5857,3752.6) 5872.4,3752.6 ; v1(5869.92,1793) v1(5869.92,1844) STM32_?.72@5869.92,1882.2 ; Transistor_Buzzer.1@5892.2,3752.6 5872.4,3752.6 ; STM32_?.184@5968.35,3043.62 5968.35,3195 5963.51,3199.83 C10n_2.1@5963.51,3352.05 ; v1(6066.77,1813) STM32_?.82@6066.77,1882.2 ; STM32_?.170@6243.94,3043.62 6243.94,3081.94 v1(6244,3082) ; STM32_?.93@6283.31,1882.2 v1(6283.31,1925) ; v1(6315.67,2692) 6440.03,2692 6468.03,2720 6468.03,2806.03 6500,2838 6531.09,2838 6542,2827.09 STM32_?.149@6578.58,2827.09 ; v1(6444,2295.59) v1@6486,2295.59 ; v1(6486,2296) v1@6486,2295.59 ; v1(6506,2138.11) STM32_?.114@6578.58,2138.11 6615.67,2138.11 ; STM32_?.128@6578.58,2413.7 6610,2413.7 ; STM32_?.136@6578.58,2571.18 6610,2571.18 6620,2561.18 6620,2551.18 ; v1(6588,3271) 6560,3299 ; v1(6615.67,3173) 6560,3228.67 6560,3299 ; v1(6633.67,1795) 6646,1807.33 6646,2108.11 6616,2138.11 6615.67,2138.11 ; v1(6635.67,2118.11) 6615.67,2138.11 ; v1(6635.67,2551.18) 6620,2551.18 ; v1(6730,1760.55) Back_Left_Encoder.2@6806.46,1760.55 ; v1(6760,4131) 6760.45,4130.55 Back_Right_Encoder.2@6806.46,4130.55 ; 3552,4920 RESET.4@3610,4920 RESET.3@4003.7,4920 4492,4910 R.2@4960,4910 G.2@5110,4910 B.2@5260,4910 5600,4910 5650.01,4859.99 5650.01,4775.5 ; 3552,4920 3551,4559 3600,4510 ; 5650.01,4775.5 5627.01,4798.5 5600,4798.5 5572,4770.5 5572,3917 5594,3895 5800,3895 5845,3850 5845,3780 5872.4,3752.6 ; C10n_2.1@5963.51,3352.05 6090,3352.05 6100.63,3341.42 C10u.1@6227.22,3341.42 ; C10u.1@6227.22,3341.42 6255.03,3340.97 ; C10u.1@6227.22,3341.42 6254.58,3341.42 6255.03,3340.97 ; 6255.03,3340.97 6315.42,3340 6524,3340 ; 6255.03,3340.97 6316,3280 v1(6316,3132) 6524,3340 ; v1@6486,2295.59 STM32_?.122@6578.58,2295.59 6641.68,2295.59 6666.09,2320 6666.09,2375 6627.39,2413.7 6610,2413.7 ; 6524,3340 C2u2.1@6560,3340 6560,3299 ; 6610,2413.7 6620,2423.7 6620,2551.18
  Signal Layer 1 w12: v1(1240,4229.45) 2233.45,4229.45 2622,4618 v1(2622,4920) ; 3V3_Supply.1@4440,1120 4440,1190 ; v1(5070,1182) 5022,1230 4480,1230 4440,1190 ; v1(5152,2062) v1(5324,2062) ; v1(5220.55,1079) 5029.55,1270 4480,1270 4440,1230 4440,1190 ; v1(5350,2727) 5400.98,2727 v1(5644,2970.02) ; v1(5633.7,1843.58) 5655.12,1865 5848.92,1865 v1(5869.92,1844) ; v1(5857,3752.6) 5857,4057 5650,4264 5650,4315 5660,4325 6336,4325 6440,4221 6581,4221 v1(6615.67,4186.33) ; v1(5869.92,1793) 6046.77,1793 v1(6066.77,1813) 6141.77,1888 6246.31,1888 v1(6283.31,1925) ; v1(6244,3082) 6294,3132 v1(6316,3132) ; v1(6315.67,3611.93) v1(6315.67,4041.93) 6342.74,4069 6588.67,4069 v1(6615.67,4042) ; v1(6588,3271) 6639,3322 v1(6639,3592) ; v1(6633.67,1795) 6662.67,1824 6702.08,1824 6730,1796.08 v1(6730,1760.55)
  Signal Layer 2 w12: v1(5070,1182) 5070,1980 v1(5152,2062) ; v1(5350,2727) 5379,2698 v1(5379,2492.44) ; v1(6315.67,2692) 6298,2709.67 6298,3114 v1(6316,3132) ; v1(6486,2296) 6486,2158.11 v1(6506,2138.11)
  Bottom Layer w10: v1(5152,2062) 5129,2085 5129,2143 5163,2177 5469.78,2177 v1(5469.94,2177.17) 5280.83,2177.17 5198,2260 5198,2410.44 v1(5280,2492.44) ; v1(5324,2062) 5339,2047 5835,2047 5941,2153 6315.67,2153 TO2.8@6315.67,2191.89 6315.67,2246.67 6364.59,2295.59 v1(6444,2295.59) ; v1(5330,2718) 5270,2658 5270,2622 6018,2618 6106,2706 6301.67,2706 v1(6315.67,2692) TO3.8@6315.67,2641.89 ; v1(6283.31,1925) 6240,1881.69 6240,1811 6250,1801 6295.25,1801 6315.67,1780.58 TO1.8@6315.67,1741.89 6315.67,1692.33 6340,1668 6589,1668 6615.67,1694.67 TO1.2@6615.67,1741.89 6615.67,1777 v1(6633.67,1795) ; TO4.8@6315.67,3081.89 6315.67,3131.67 v1(6316,3132) ; TO5.8@6315.67,3541.89 v1(6315.67,3611.93) 6360,3655 6560.67,3655 6615.67,3600 6615.67,3580 ; TO6.8@6315.67,3991.89 v1(6315.67,4041.93) ; TO2.2@6615.67,2191.89 6615.67,2138.11 v1(6635.67,2118.11) ; TO3.2@6615.67,2641.89 6615.67,2571.18 v1(6635.67,2551.18) ; TO4.2@6615.67,3081.89 v1(6615.67,3173) ; TO5.2@6615.67,3541.89 6615.67,3580 ; TO6.2@6615.67,3991.89 v1(6615.67,4042) ; v1(6615.67,4186.33) v1(6615.67,4042) ; v1(6639,3592) 6627.67,3592 6615.67,3580 ; v1(6760,4131) 6702,4131 v1(6615.67,4042)
GND_5V: 5V_Supply.1 DT_BL_U_H.3 DT_BL_U_L.3 DT_BL_V_H.3 DT_BL_V_L.3 DT_BL_W_H.3 DT_BL_W_L.3 DT_BR_U_H.3 DT_BR_U_L.3 DT_BR_V_H.3 DT_BR_V_L.3 DT_BR_W_H.3 DT_BR_W_L.3 DT_FL_U_H.3 DT_FL_U_L.3 DT_FL_V_H.3 DT_FL_V_L.3 DT_FL_W_H.3 DT_FL_W_L.3 DT_FR_U_H.3 DT_FR_U_L.3 DT_FR_V_H.3 DT_FR_V_L.3 DT_FR_W_H.3 DT_FR_W_L.3 TO1.9 TO1.15 TO2.9 TO2.15 TO3.9 TO3.15 TO4.9 TO4.15 TO5.9 TO5.15 TO6.9 TO6.15 | length 42763
  Top Layer w10: v1(1405,3520) 1389,3504 ; v3(1410,3570) 1380,3540 1380,3420 1517.8,3282.2 ; v1(1469,2540) 1520,2591 ; v1(1520,2538) 1520,2591 ; DT_FL_U_L.3@1562.6,1802.2 1562.6,1833 1596,1866.4 1596,1999 v1(1590,2005) ; DT_FL_U_H.3@1562.6,2812.2 1562.6,2813 1540,2813 1520,2793 1520,2591 ; DT_FR_U_H.3@1562.6,3282.2 1517.8,3282.2 ; DT_FR_U_L.3@1562.6,4312.2 1562.6,4279 1538.77,4255.17 1538.77,3917.23 1567,3889 1567,3707 1389,3529 1389,3504 ; v1(2014,2305) 2014,2690 2111,2787 2162.6,2787 DT_FL_V_H.3@2162.6,2812.2 ; v1(2027,3643) 2027,3422.6 2162.6,3287 DT_FR_V_L.3@2162.6,3282.2 2162.6,3259 2138,3234.4 2138,3114.6 2346,3111.75 2430,3195.75 2430,4352 2417,4365 ; v1(2063,2149) 2105,2107 2105,1900 2162.6,1842.4 DT_FL_V_L.3@2162.6,1802.2 ; DT_FR_V_H.3@2162.6,4312.2 2162.6,4340 2187.6,4365 2417,4365 ; v1(2711,3433) 2711,3351.6 2762.6,3300 DT_FR_W_L.3@2762.6,3282.2 ; DT_FL_W_L.3@2762.6,1782.2 2762.6,1844.6 2801,1883 2801,1950 2811,1960 3048,1960 3262,1746 ; DT_FL_W_H.3@2762.6,2812.2 2762.6,2800 2738,2775.4 2738,2288 2875,2151 3065,2151 3114,2200 3114,2767 3160,2813 3315,2813 ; DT_FR_W_H.3@2772.6,4312.2 2772.6,4350 2787.6,4365 ; v1(3262,1420) 3262,1746 ; DT_BL_U_L.3@3362.6,1782.2 3362.6,1772 3340,1772 3320,1752 3320,1478 ; DT_BL_U_H.3@3362.6,2812.2 3362.6,2813 3315,2813 ; DT_BR_U_L.3@3362.6,3282.2 3362.6,3255 3338,3230.4 3338,3158 3400,3096 3520,3096 3635,3211 3635,4041 3906,4312 ; DT_BR_U_H.3@3362.6,4312.2 3362.6,4340 ; v1(3378,1420) 3320,1478 ; v1(3859,1454) 3879.5,1474.5 ; 3884,1470 3879.5,1474.5 ; DT_BL_V_L.3@3962.6,1782.2 3962.6,1771.45 3984.05,1750 4102,1750 4134,1782 4249,1782 ; DT_BL_V_H.3@3962.6,2812.2 3962.6,2813 3915,2813 3862,2760 3862,1492 3879.5,1474.5 ; DT_BR_V_L.3@3962.6,3322.2 3962.6,3364.9 3938,3389.5 3938,3575 3968.5,3605.5 3968.5,3941.37 3938,3971.87 3938,4251 3962.6,4275.6 DT_BR_V_H.3@3962.6,4312 ; v1(4343,2856) 4536.6,2856 4562.6,2830 ; DT_BL_W_L.3@4562.6,1782.2 4562.6,1782 4249,1782 ; DT_BL_W_H.3@4562.6,2812.2 4562.6,2830 ; DT_BR_W_H.3@4562.6,4302.2 DT_BR_W_H.3@4562.6,4304 ; DT_BR_W_L.3@4572.6,3302.2 4572.6,3323.6 ; v1(4642,2481) 4698,2537 4698,2843.72 4658.72,2883 4615.6,2883 4562.6,2830 ; v1(4984,3025) 4676,3333 4676,3440 4664,3452 4601,3452 ; v1(6316,4296) 6339,4273 6592.41,4273 v1(6615.67,4296.26) ; v1(6615.67,3845.67) 6833,4063 6840,4063 6851,4074 6851,4320 6841,4330 6650,4330 v1(6616,4296) ; 1389,3504 1389,3411 1389,3333.2 1440,3282.2 1517.8,3282.2 ; 2417,4365 2787.6,4365 ; 2787.6,4365 3355.6,4365 ; 3262,1746 3262,2760 3315,2813 ; 3262,1746 3269,1739 3269,1529 3320,1478 ; 3355.6,4365 3579,4365 3632,4312 ; 3355.6,4365 3362.6,4358 3362.6,4340 ; 3362.6,4340 3381.55,4358.95 3545.05,4358.95 3592,4312 3632,4312 ; 3632,4312 3906,4312 ; 3879.5,1474.5 3884,1479 3884,1840 3919,1875 3981,1875 3996,1890 3996,1960 4018,1982 4049,1982 4249,1782 ; 3906,4312 DT_BR_V_H.3@3962.6,4312 ; DT_BR_V_H.3@3962.6,4312 DT_BR_V_H.3@3962.6,4312.2 3962.6,4340 3972.6,4350 4516.6,4350 DT_BR_W_H.3@4562.6,4304 ; DT_BR_W_H.3@4562.6,4304 4562.6,4320 4583.1,4340.5 4653.5,4340.5 4738,4256 4738,3672 4601,3535 4601,3452 ; 4572.6,3323.6 4572.6,3338 4601,3366.4 ; 4572.6,3323.6 4601,3352 4601,3366.4 ; 4601,3366.4 4601,3452
  Signal Layer 1 w12: v1(2027,3643) 2237,3433 v1(2711,3433) ; v1(2974,1057) 2994,1037 3780,1037 5V_Supply.1@3790,1120 ; v1(6316,2046) v1(6330,2046) 6480,2046 ; v1(6316,2520) 6523,2520 6533,2510 6533,2480 ; v1(6622.67,2367.34) 6564,2426.01 ; v1(6623,1917) 6669,1871 6718.29,1871 6828,1761.29 6828,1709 6840,1697 6864,1697 6877,1710 6877,1776.32 ; v1(6623,2817) 6692,2886 6800,2886 6822,2864 6822,2582 6800,2560 6800,2057 6818,2039 6818,1836.03 ; 6480,2046 6564,2130 ; 6480,2046 6520,2046 6564,2090 6564,2130 ; 6533,2480 6533,2457.01 6564,2426.01 ; 6533,2480 6564,2480 6564,2426.01 ; 6564,2130 6664,2230 6736,2230 6747,2219 6747,2188 6729,2170 6729,1925.03 6818,1836.03 ; 6564,2130 6564,2426.01 ; 6818,1836.03 6877,1777.03 6877,1776.32 ; 6818,1836.03 6818,1835.32 6877,1776.32
  Signal Layer 2 w12: v1(1405,3520) 1449,3520 1469,3500 ; v3(1410,3570) 1469,3511 1469,3500 ; v1(1520,2538) 1500,2518 1500,2509 ; v1(1590,2005) 1590,2388 ; v1(2063,2149) 2014,2149 ; v1(2974,1057) 2952,1057 2589,1420 ; 5V_Supply.1@3790,1120 3790,1360 ; v1(3859,1454) 3825,1420 ; v1(4343,2856) 4343,1893 3920,1470 3884,1470 3884,1454 3850,1420 3825,1420 ; v1(4642,2481) 4667,2506 4667,2512 v1(5061,2906) ; v1(6615.67,3214) 6591,3189.33 6591,2849 v1(6623,2817) ; 1469,3500 v1(1469,2540) 1500,2509 ; 1500,2509 1590,2419 ; 1500,2509 1500,2478 1590,2388 ; 1590,2388 1590,2419 ; 1590,2388 1829,2149 1860,2149 ; 1590,2419 1704,2305 ; 1704,2305 1860,2149 ; 1704,2305 v1(2014,2305) 2014,2149 ; 1860,2149 2014,1995 ; 1860,2149 2014,2149 ; 2014,1995 2589,1420 ; 2014,1995 2014,2149 ; 2014,1995 2014,1938 2532,1420 2589,1420 ; 2589,1420 v1(3262,1420) v1(3378,1420) 3730,1420 ; 3730,1420 3825,1420 ; 3730,1420 3790,1360 ; 3790,1360 3790,1385 3825,1420
  Bottom Layer w10: v1(4984,3025) 5001,3042 5197,3042 ; v1(5061,2906) 5197,3042 ; TO1.9@6315.67,1996.22 6315.67,2031.67 ; TO2.9@6315.67,2446.22 6315.67,2519.67 v1(6316,2520) ; TO3.9@6315.67,2896.22 6315.67,2999.33 6273,3042 6272.67,3042 ; TO4.9@6315.67,3336.22 6315.67,3376.67 ; TO5.9@6315.67,3796.22 6315.67,3744.33 ; TO6.9@6315.67,4246.22 6315.67,4295.67 v1(6316,4296) ; v1(6316,2046) 6315.67,2045.67 6315.67,2031.67 ; v1(6330,2046) 6315.67,2031.67 ; TO1.15@6615.67,1996.22 6615.67,1924.33 v1(6623,1917) ; TO2.15@6615.67,2446.22 6615.67,2374.34 v1(6622.67,2367.34) ; TO3.15@6615.67,2896.22 6615.67,2824.33 v1(6623,2817) ; v1(6615.67,3214) 6615.67,3240 ; v1(6615.67,3845.67) TO5.15@6615.67,3796.22 6615.67,3755.67 6560,3700 6360,3700 6315.67,3744.33 ; TO6.15@6615.67,4246.22 v1@6615.67,4295.67 ; v1(6615.67,4296.26) v1@6615.67,4295.67 ; v1(6616,4296) v1@6615.67,4295.67 ; 5197,3042 6149,3042 ; 6149,3042 6272.67,3042 ; 6149,3042 6304,3197 6320,3197 ; 6272.67,3042 6272.67,3149.67 6320,3197 ; 6315.67,3376.67 6315.67,3425 6288,3452.67 6288,3716.66 6315.67,3744.33 ; 6315.67,3376.67 6360,3421 6600.67,3421 6615.67,3406 TO4.15@6615.67,3336.22 6615.67,3240 ; 6320,3197 6572.67,3197 6615.67,3240